# Allegro board PCIE_FIBER_BOARD-1116.brd (continued)
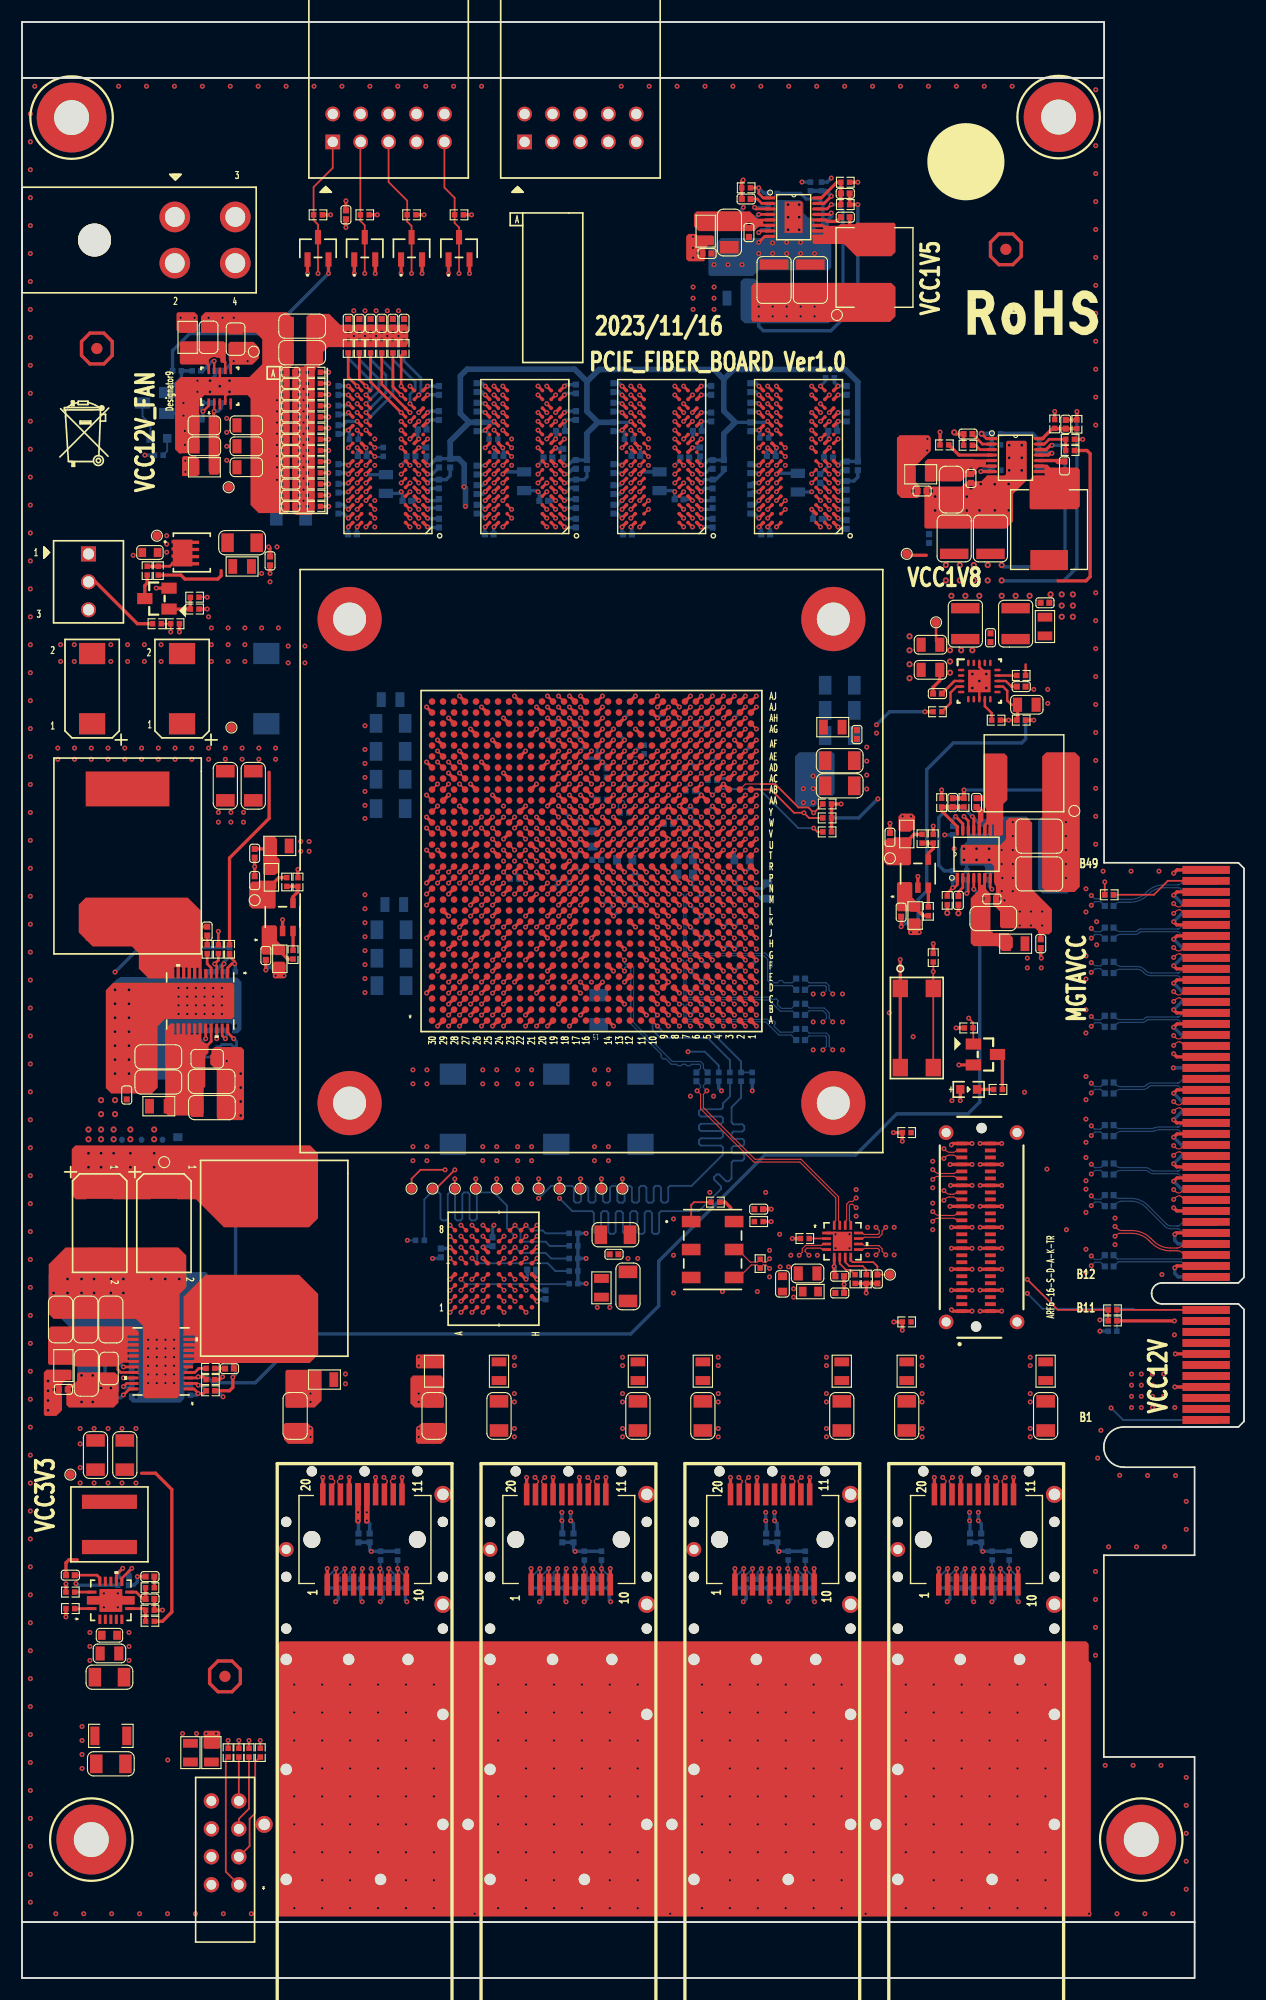
[diagram p0: board, top side]
## Copper pours and planes (outline as drawn; the poured copper is in the pictures) (continued)
VTTDDR on BOTTOM: 26.34,145.17 28.53,147.36 28.53,147.87 28.91,148.25 35.01,148.25 35.26,148.5 35.26,150.03 35.01,150.28 26.75,150.28 26.12,149.64 26.12,147.1 24.59,145.58 24.59,134.02 25.07,133.54 25.07,132.02 25.28,131.81 26.14,131.81 26.34,132.02 ; 23 cut-outs
VTTDDR on ART10: 25.99,145.2 18.37,145.2 17.61,144.44 17.61,133.77 18.24,133.13 25.48,133.13 26.5,134.15 26.5,144.69
VTTVREF on TOP (solid shape): 21.54,148.25 21.54,147.23 20.96,146.65 19.03,146.65 18.86,146.82 18.86,146.86 18.84,146.96 18.8,147.05 18.8,147.7 18.8,147.7 18.8,148.59 18.94,148.73 21.06,148.73
VTTVREF on BOTTOM: 55.71,112.05 54.69,112.05 54.56,112.18 54.56,112.64 55.25,113.32 57.36,113.32 57.48,113.2 59.01,113.2 59.64,113.83 59.9,113.83 60.41,113.32 60.41,112.18 60.15,111.93 57.61,111.93 56.98,112.56 56.21,112.56
VTTVREF on BOTTOM: 21.16,147.36 19.13,147.36 18.88,147.1 18.88,146.09 19.38,145.58 19.38,129.71 20.27,128.82 40.09,128.82 40.72,129.45 40.72,135.55 40.34,135.93 38.94,135.93 38.56,135.55 38.56,131.36 37.67,130.47 28.53,130.47 27.64,131.36 22.18,131.36 21.67,131.86 21.67,146.85
VTTVREF on ART03: 60.91,110.02 59.39,110.02 59.26,110.15 59.26,113.96 59.39,114.08 61.29,114.08 61.42,113.96 61.42,110.53
VTTVREF on ART05: 54.94,108.12 54.69,108.12 54.31,107.73 54.31,107.23 54.06,106.97 50.37,106.97 50.12,107.23 50.12,115.23 38.82,126.53 38.82,135.8 38.94,135.93 41.1,135.93 41.36,135.67 41.36,128.56 52.53,117.39 52.53,113.45 52.79,113.2 54.69,113.2 55.2,112.69 55.2,112.18 54.94,111.93 54.31,111.93 54.18,111.8 54.18,109.39 54.69,108.88 54.94,108.88 55.07,108.75 55.07,108.24
XADC_AGND on BOTTOM: 52.53,102.78 52.79,102.78 53.42,102.15 54.44,102.15 54.56,102.02 54.56,100.88 54.06,100.37 54.06,99.35 53.93,99.23 53.42,99.23 53.29,99.35 53.29,100.5 52.4,101.38 52.4,102.65
XADC_VCC on BOTTOM: 52.28,103.29 51.39,103.29 51.26,103.16 51.26,100.11 52.15,99.23 52.89,99.23 53.04,99.38 53.04,99.86 52.79,100.11 52.66,100.11 52.28,100.5 52.28,102.27 52.4,102.4 52.4,103.16
N16671344 on TOP (solid shape): 16.34,86.74 16.34,86.42 16.33,86.37 16.33,86.34 16.33,85.38 16.33,85.35 16.34,85.3 16.34,85.13 16.43,85.13 16.55,85.04 16.7,85 16.72,85 16.97,84.75 16.97,84.11 16.68,83.82 16.68,81.03 16.52,80.88 16.52,78.65 16.27,78.4 13.29,78.4 13.02,78.66 13.02,86.26 13.52,86.75 13.84,86.75 13.84,85.81 13.89,85.76 14.02,85.76 14.07,85.81 14.07,86.75 14.34,86.75 14.34,85.85 14.39,85.79 14.51,85.79 14.56,85.85 14.56,86.76 14.85,86.76 14.85,85.8 14.9,85.75 15.02,85.75 15.07,85.8 15.07,86.76 15.34,86.76 15.34,85.81 15.39,85.76 15.52,85.76 15.57,85.81 15.57,86.75 15.84,86.75 15.84,85.82 15.9,85.77 16.03,85.77 16.08,85.82 16.08,86.74 16.11,86.78 16.29,86.78
N16672704 on TOP (solid shape): 16.35,96.94 16.35,90.86 16.1,90.86 16.07,90.89 16.07,91.78 16.02,91.83 15.9,91.83 15.85,91.78 15.85,90.89 15.83,90.86 15.57,90.86 15.57,91.76 15.52,91.82 15.4,91.82 15.35,91.76 15.35,90.86 15.09,90.86 15.06,90.89 15.06,91.8 15.01,91.85 14.9,91.85 14.85,91.8 14.85,90.86 14.59,90.86 14.56,90.89 14.56,91.83 14.51,91.88 14.4,91.88 14.35,91.83 14.35,90.89 14.32,90.86 14.09,90.86 14.07,90.88 14.07,91.83 14.02,91.89 13.9,91.89 13.84,91.83 13.84,90.86 11.51,90.86 10.62,91.75 10.62,93.13 9.99,93.76 6.43,93.76 5.16,95.03 5.16,97.57 5.8,98.21 15.08,98.21
N16716267 on TOP (solid shape): 66.2,160.59 66.69,160.1 66.71,160.07 66.74,160.04 66.77,160.01 66.84,159.96 66.89,159.95 66.94,159.93 66.99,159.93 67.01,159.93 68.01,159.93 68.05,159.93 68.11,159.94 68.15,159.95 68.43,159.96 68.48,159.91 68.48,159.72 68.44,159.68 67.47,159.68 67.4,159.6 67.4,159.54 67.47,159.46 68.42,159.46 68.48,159.4 68.48,159.22 68.42,159.16 68.15,159.17 68.11,159.18 68.05,159.19 68.01,159.19 67.16,159.19 67.13,159.19 67.07,159.18 67.01,159.16 66.96,159.13 66.91,159.1 66.89,159.08 66.74,158.93 66.72,158.91 66.68,158.85 66.65,158.79 66.56,158.79 66.53,158.81 65.66,158.81 65.63,158.79 61.55,158.79 61.27,159.07 66.27,159.07 66.27,159.58 65.97,159.58 65.97,159.07 61.27,159.07 61.12,159.22 61.12,160.34 61.37,160.59 65.59,160.59
N16716703 on TOP (solid shape): 79.46,159.42 79.46,156.88 79.07,156.5 75.87,156.5 74.76,157.62 72.01,157.62 71.91,157.72 71.91,158.38 71.99,158.46 72.82,158.46 72.9,158.53 72.9,158.58 72.82,158.66 71.89,158.66 71.89,158.96 72.8,158.96 72.88,159.03 72.88,159.08 72.8,159.15 72.01,159.15 71.91,159.26 71.91,159.37 71.96,159.42 72.27,159.42 72.32,159.42 72.36,159.41 72.94,159.41 72.95,159.4 73.08,159.31 73.23,159.28 73.31,159.27 73.36,159.27 74.1,159.27 74.26,159.3 74.39,159.39 74.42,159.42 75.77,159.42 75.9,159.55 79.33,159.55
N16720636 on TOP (solid shape): 17.2,142.02 17.33,141.95 17.48,141.92 17.62,141.94 17.75,142.01 17.99,141.77 17.99,136.82 17.86,136.69 17.23,136.69 16.97,136.94 16.97,141.9 17.1,142.02 17.18,142.02
N16720676 on TOP (solid shape): 18.54,148.59 18.54,146.94 18.41,146.81 18.16,146.81 18.03,146.94 18.03,147.19 17.95,147.27 17.7,147.27 17.6,147.33 17.48,147.35 17.37,147.33 17.27,147.28 17.26,147.27 17.19,147.27 17,147.08 17,146.67 16.98,146.66 14.5,146.66 14.36,146.8 14.36,148.6 14.53,148.78 18.35,148.78
N16728285 on TOP (solid shape): 10.59,58.74 10.59,58.42 9.65,58.42 9.6,58.37 9.6,58.24 9.65,58.19 10.59,58.19 10.59,57.91 9.69,57.91 9.64,57.86 9.64,57.75 9.69,57.7 10.6,57.7 10.6,57.41 9.64,57.41 9.59,57.35 9.59,57.24 9.64,57.19 10.6,57.19 10.6,56.91 9.65,56.91 9.6,56.86 9.6,56.73 9.65,56.68 10.59,56.68 10.59,56.41 9.66,56.41 9.61,56.36 9.61,56.23 9.66,56.18 10.6,56.18 10.6,56.16 10.62,56.14 10.62,55.96 10.58,55.92 10.26,55.92 10.22,55.93 10.18,55.93 9.22,55.93 9.19,55.93 9.11,55.92 9.08,55.9 8.96,55.82 8.87,55.69 8.87,55.68 8.77,55.58 4.88,55.58 4.72,55.74 2.49,55.74 2.37,55.86 2.37,58.97 2.63,59.23 10.1,59.23
N16728563 on TOP (solid shape): 26.94,62.18 26.94,56.67 26.17,55.9 14.71,55.9 14.71,56.16 14.73,56.18 15.62,56.18 15.67,56.23 15.67,56.35 15.62,56.4 14.73,56.4 14.71,56.43 14.71,56.68 15.61,56.68 15.66,56.74 15.66,56.86 15.61,56.91 14.71,56.91 14.71,57.17 14.73,57.19 15.64,57.19 15.69,57.24 15.69,57.36 15.64,57.41 14.71,57.41 14.71,57.66 14.73,57.69 15.67,57.69 15.72,57.74 15.72,57.86 15.67,57.91 14.73,57.91 14.71,57.94 14.71,58.17 14.72,58.19 15.68,58.19 15.73,58.24 15.73,58.36 15.68,58.41 14.71,58.41 14.71,61.21 14.69,61.91 16.7,63.92 25.2,63.92
N16762295 on TOP: 51.94,62.36 55.88,62.36 56.01,62.23 56.01,60.71 55.75,60.45 52.07,60.45 51.82,60.71 51.82,62.23
N16762295 on ART05: 37.21,66.67 44.58,66.67 48.51,62.74 48.56,62.74 49,62.29 53.91,62.29 54.48,61.72 54.48,58.55 52.83,56.9 37.85,56.9 36.2,58.55 36.2,65.66
N16769397 on TOP (solid shape): 87.2,100.4 87.2,99.43 87.28,99.36 87.35,99.36 87.42,99.43 87.42,100.38 87.48,100.45 87.66,100.45 87.72,100.38 87.72,100.11 87.7,100.07 87.69,100.01 87.69,99.98 87.69,99.12 87.69,99.09 87.7,99.03 87.72,98.97 87.75,98.92 87.78,98.87 87.8,98.85 87.95,98.7 87.97,98.68 88.03,98.64 88.09,98.61 88.09,98.49 88.07,98.47 88.07,97.47 88.09,97.44 88.09,95.24 88.35,94.98 89.72,94.98 90.12,94.58 90.12,93.69 89.82,93.38 89.13,93.38 88.73,93.79 86.57,93.79 86.29,94.07 86.29,97.96 87.81,97.96 87.81,98.26 87.3,98.26 87.3,97.96 86.29,97.96 86.29,98.16 86.78,98.66 86.8,98.67 86.84,98.7 86.87,98.74 86.92,98.81 86.93,98.85 86.95,98.9 86.95,98.95 86.95,98.97 86.95,99.98 86.95,100.01 86.94,100.07 86.93,100.11 86.92,100.39 86.97,100.45 87.16,100.45
N16769443 on TOP: 79.83,54.78 82.37,54.78 82.63,54.52 82.63,52.24 82.25,51.85 79.71,51.85 79.58,51.98 79.58,54.52
N16769443 on TOP: 85.98,45 86.39,45 86.44,44.94 86.44,41.44 86.31,41.31 86.06,41.31 85.93,41.44 85.93,44.95
N16769443 on ART03: 81.53,53.47 85.72,53.47 86.48,52.7 86.48,41.53 86.1,41.15 83.94,41.15 80.13,44.96 80.13,52.07
N16769469 on TOP: 93.74,54.78 91.2,54.78 90.95,54.52 90.95,52.24 91.33,51.85 93.87,51.85 93.99,51.98 93.99,54.52
N16769469 on TOP: 87.19,45 86.77,45 86.74,44.96 86.74,41.4 86.82,41.31 87.07,41.31 87.24,41.48 87.24,44.95
N16769469 on ART03: 87.37,53.47 91.82,53.47 93.6,51.69 93.6,44.58 92.58,43.56 91.06,43.56 88.64,41.15 86.99,41.15 86.74,41.4 86.74,52.83
N16769823 on TOP (solid shape): 89.63,111.05 89.63,107.09 89.26,106.72 89.26,105.3 89.23,105.27 89.23,103.95 89.11,103.82 88.49,103.82 88.43,103.89 88.43,104.84 88.4,104.86 88.24,104.86 88.22,104.84 88.22,103.87 88.17,103.82 87.98,103.82 87.92,103.88 87.92,104.8 87.89,104.84 87.76,104.84 87.73,104.8 87.73,103.89 87.66,103.82 87.56,103.82 87.46,103.92 87.46,104.23 87.46,104.28 87.47,104.32 87.47,104.89 87.65,105.07 87.71,105.32 87.71,106.06 87.67,106.26 87.56,106.42 87.46,106.53 87.46,111.19 87.58,111.32 89.36,111.32
N16769990 on TOP (solid shape): 27.26,55.16 27.26,52.49 26.62,51.85 24.08,51.85 23.96,51.98 23.96,55.16 24.08,55.28 27.13,55.28
N16769990 on TOP (solid shape): 30.81,44.94 30.81,41.44 30.69,41.31 30.43,41.31 30.31,41.44 30.31,44.95 30.36,45 30.76,45
N16769990 on ART03: 25.91,53.47 30.1,53.47 30.86,52.7 30.86,41.53 30.48,41.15 28.32,41.15 24.51,44.96 24.51,52.07
N16770002 on TOP (solid shape): 31.62,44.95 31.62,41.48 31.45,41.31 31.2,41.31 31.11,41.4 31.11,44.96 31.15,45 31.57,45
N16770002 on TOP (solid shape): 38.37,54.52 38.37,51.98 38.24,51.85 35.7,51.85 35.32,52.24 35.32,54.52 35.58,54.78 38.12,54.78
N16770002 on ART03: 31.75,53.47 37.59,53.47 37.97,53.09 37.97,44.58 36.96,43.56 35.43,43.56 33.02,41.15 31.37,41.15 31.11,41.4 31.11,52.83
N16771208 on TOP: 61.29,54.78 63.83,54.78 64.09,54.52 64.09,52.24 63.71,51.85 61.17,51.85 61.04,51.98 61.04,54.52
N16771208 on TOP: 67.44,45 67.84,45 67.9,44.94 67.9,41.44 67.77,41.31 67.52,41.31 67.39,41.44 67.39,44.95
N16771208 on ART03: 62.99,53.47 67.18,53.47 67.94,52.7 67.94,41.53 67.56,41.15 65.4,41.15 61.59,44.96 61.59,52.07
N16771220 on TOP: 75.2,54.78 72.66,54.78 72.4,54.52 72.4,52.24 72.79,51.85 75.33,51.85 75.45,51.98 75.45,54.52
N16771220 on TOP: 68.65,45 68.23,45 68.19,44.96 68.19,41.4 68.28,41.31 68.53,41.31 68.7,41.48 68.7,44.95
N16771220 on ART03: 68.83,53.47 74.67,53.47 75.06,53.09 75.06,44.58 74.04,43.56 72.52,43.56 70.1,41.15 68.45,41.15 68.2,41.4 68.2,52.83
N16771812 on TOP: 87.46,119.32 87.46,120.1 87.79,120.43 87.79,121.65 87.84,121.7 88.6,121.7 89.31,122.42 93.63,122.42 93.83,122.21 93.83,119.6 93.4,119.16 89.46,119.16 89.06,118.76 88.5,118.76 88.42,118.83 88.42,119.14 88.32,119.24 87.99,119.24 87.96,119.27 87.96,119.85 87.91,119.9 87.71,119.9 87.69,119.88 87.69,119.27 87.66,119.24 87.53,119.24 ; 1 cut-out
N16772426 on TOP: 42.75,54.78 45.29,54.78 45.55,54.52 45.55,52.24 45.17,51.85 42.63,51.85 42.5,51.98 42.5,54.52
N16772426 on TOP: 48.9,45 49.3,45 49.36,44.94 49.36,41.44 49.23,41.31 48.98,41.31 48.85,41.44 48.85,44.95
N16772426 on ART03: 44.45,53.47 48.64,53.47 49.4,52.7 49.4,41.53 49.02,41.15 46.86,41.15 43.05,44.96 43.05,52.07
N16772438 on TOP: 56.66,54.78 54.12,54.78 53.86,54.52 53.86,52.24 54.24,51.85 56.78,51.85 56.91,51.98 56.91,54.52
N16772438 on TOP: 50.11,45 49.69,45 49.65,44.96 49.65,41.4 49.74,41.31 49.99,41.31 50.16,41.48 50.16,44.95
N16772438 on ART03: 50.29,53.47 56.13,53.47 56.51,53.09 56.51,44.58 55.5,43.56 53.97,43.56 51.56,41.15 49.91,41.15 49.66,41.4 49.66,52.83
N16788876 on TOP: 80.57,60.05 80.57,57.71 81.16,57.12 90.31,57.12 91.46,58.27 91.46,59.6 90.75,60.31 89.46,60.31 87.62,58.47 85.7,58.47 85.05,59.11 85.05,59.74 84.48,60.31 80.83,60.31
N16788886 on TOP: 80.58,76.61 80.58,77.8 81.59,78.8 90.96,78.8 91.5,78.27 91.5,76.36 91.19,76.05 90.43,76.05 88.6,77.88 86.22,77.88 84.6,76.27 80.93,76.27
N16791990 on TOP: 64.09,70.27 66.76,70.27 66.88,70.14 66.88,68.62 66.37,68.11 64.09,68.11 63.83,68.36 63.83,70.02
N16799687 on TOP: 19.51,127.55 15.19,127.55 14.81,127.93 14.81,130.98 15.32,131.48 19,131.48 19.64,130.85 19.64,127.67
N16804893 on TOP: 18.03,7.62 17.91,7.49 15.37,7.49 15.24,7.62 15.24,17.78 14.48,18.54 14.48,20.07 14.61,20.19 17.91,20.19 18.03,20.07
N16831254 on TOP (solid shape): 80.85,101.28 80.73,101.15 78.69,101.15 78.44,101.4 78.44,103.31 78.74,103.61 79.23,103.61 79.32,103.63 79.39,103.69 80.85,103.69
N16831338 on TOP (solid shape): 80.98,99.5 80.98,98.23 81.36,97.85 81.61,97.85 81.74,97.72 81.74,97.09 81.61,96.96 80.27,96.96 80.24,96.96 79.71,96.96 79.58,97.09 79.58,99.5 79.71,99.63 80.85,99.63
N16835514 on TOP (solid shape): 23.07,97.34 22.94,97.21 20.91,97.21 20.65,97.47 20.65,99.37 20.95,99.67 21.44,99.67 21.53,99.69 21.61,99.75 23.07,99.75
N16835584 on TOP (solid shape): 23.19,95.56 23.19,94.29 23.58,93.91 23.83,93.91 23.96,93.78 23.96,93.15 23.83,93.02 22.49,93.02 22.46,93.02 21.92,93.02 21.8,93.15 21.8,95.56 21.92,95.69 23.07,95.69
N16841309 on TOP: 7.45,35.6 7.45,36.74 7.07,37.12 5.41,37.12 4.78,37.76 4.78,39.66 5.03,39.92 10.75,39.92 11,39.66 11,38.01 10.62,37.63 8.72,37.63 8.21,37.12 8.21,35.6
N16881753 on TOP: 10.92,23.49 8.89,23.49 8.26,22.86 8.26,17.78 6.99,16.51 3.17,16.51 2.54,15.88 2.54,9.53 3.17,8.89 9.53,8.89 11.43,10.79 11.43,22.99
N22202204 on TOP (solid shape): 86.57,138.07 86.61,138.06 86.66,138.05 86.68,138.05 88.19,138.05 88.23,138.05 88.29,138.06 88.33,138.08 88.54,138.08 88.59,138.08 88.68,137.99 88.68,137.88 88.6,137.81 87.69,137.81 87.69,137.55 88.63,137.55 88.65,137.53 88.65,137.34 88.61,137.3 87.4,137.3 87.37,137.31 87.33,137.32 87.28,137.34 87.23,137.34 87.17,137.34 87.12,137.34 87.06,137.32 87.01,137.29 86.96,137.26 86.91,137.23 86.88,137.18 86.84,137.13 86.82,137.08 86.8,137.02 86.8,136.97 86.8,136.91 86.8,136.86 86.81,136.81 86.82,136.79 86.47,136.44 85.81,136.44 85.42,136.06 82.12,136.06 82.12,136.77 86.47,136.77 86.47,137.28 86.16,137.28 86.16,136.77 82.12,136.77 82.12,137.83 82.37,138.08 86.54,138.08
N22202413 on TOP (solid shape): 93.53,137.3 96.01,137.3 96.22,137.09 96.22,133.77 95.97,133.52 91.77,133.52 91.65,133.64 91.65,136.17 92.04,136.56 93,136.56 93,136.81 92.04,136.81 92.04,137.07 92.98,137.07 92.98,137.32 92.04,137.32 92.04,137.5 92.12,137.57 93.25,137.57

Small or netless copper shapes (teardrops, artwork), in the pictures only: 10 on TOP

## Text on the board
Ref Des/Silkscreen Top: A | * | TIming Board | PCIE_FIBER_BOARD Ver1.0 | 2023/11/16 | VCC1V8 | VCC3V3 | VCC12V_FAN | VCC1V5 | MGTAVCC | VCC12V
DIMENSION: Surface Finished | Compare With IPC File: | Short Net NO. | Code: | Silkscreen Color: | Soldermask Color: | Design By LINKYTECH | Dielectric Material: | Board Name: | LJ231116 | TG | PCIE_FIBER_BOARD | [XX] | Short Net Name: | E-Mail:sales@linkytech.com | Layers: | Hign Tg(IT180A,S1000-2M,TU768,S1000-2) | HASL(Sn/Pb) | Nor Tg(GW4011,IT140,S1140F) | Mid Tg(GW1500,IT158,S1000H) | White | Green | OSP | Other | FR4 | Golden Finger,Others HASL(Pb-Free) | Golden Finger,Others HASL(Sn/Pb) | Yes | 12 | xxxxx | ImAg | Yellow | No | HASL(Pb-Free) | Blue | Board Thickness: | Panel Mode: | Tel: +86-0512-69575857 | ImSn | Immersion Gold(ENIG) | Red | Black | Golden Finger,Others ENIG | Golden Finger,Others OSP | 1.60 | mm+/-10% | Single Impedance | Diff Impedance | 100 ohm | 80 ohm | 40 ohm | 50 ohm | ART08 | PREPREG | GND02 | GND09 | GND11 | CORE | POWER07 | ART01 | GND04 | ART05 | POWER06 | ART10 | ART12 | ART03 | 3,5,8,10 | 3,5,10 | Layer | 3,8,10 | 1,12 | 8,10 | Trace Width(mil) | Trace W/S(mil) | 3.9/6.1 | 4.1/5.9 | 6.2/5.5 | 7.4/5.8 | Layer Stack up | Solder Bot | Silk Bot | 7.2 | 6.5 | 4.6 | Solder Top | 10 | Silk Top | Tolerance | + | - | 10% | Frequncy(MHZ) | Default | Thickness (mil) | 1.8(1oz+plating) | 4.4 | 0.7(0.5 oz) | 5.1 | 5.4 | Remark | 10--Gerber LAYER10 | 11--GROUND PLANE11 | 12--Gerber BOTTOM | 1--Gerber TOP | 2--GROUND PLANE02 | 3--Gerber LAYER03 | 4--GROUND PLANE04 | 5--Gerber LAYER05 | 6--POWER PLANE06 | 7--GROUND PLANE07 | 8--Gerber LAYER08 | 9--GROUND PLANE09
User.6: 95.5000 | B11 | B49 | B12 | B1 | 7.5001 | A12 | A11 | A1 | A49 | R8 | C20 | C15 | R19 | R18 | U14 | U16 | U19 | U23 | P1
User.7: 13.15 | 16.05 | 13.6 | 5.1 | 95.5 | 4.8 | 7.5
User.8: AK | AH | AF | AD | AB | Y | V | T | P | M | K | H | F | D | B | AJ | AG | AE | AC | AA | W | U | R | N | L | J | G | E | C | A1 | 106.6447 | B11 | B49 | B12 | B1 | A12 | A11 | A49 | 30 | 29 | 28 | 27 | 26 | 25 | 24 | 23 | 22 | 21 | 20 | 19 | 18 | 17 | 16 | 15 | 14 | 13 | 12 | 11 | 10 | 9 | 8 | 7 | 6 | 5 | 4 | 3 | 2 | 1 | R8 | C20 | C15 | R19 | R18 | C2576 | R92 | R89 | U15 | C2577 | C2578 | C2579 | C2572 | C2573 | U21 | C362 | C2591 | U14 | RA6 | RA5 | RA4 | RA3 | RA2 | RA1 | U16 | U19 | U23 | C2574 | C2575 | U25 | P1
User.24: FIGURE | FINISHED_SIZE | 8.0 | 10.0 | 32.68 | 33.0 | 35.0 | 37.0 | 40.0 | 41.0 | 71.0 | 118.0 | 125.0 | 37.4 | 61.0 | TOOL_SIZE | - | DRILL CHART: TOP to BOTTOM | ALL UNITS ARE IN MILS | ROTATION | TOLERANCE_DRILL | +2.0/-2.0 | +0.0/-0.0 | +3.0/-3.0 | PLATED | NON-PLATED | QTY | 2261 | 140 | 4 | 8 | 20 | 1 | 2 | 44 | 36 | 2543 | TOTAL HOLES:
User.25: The target layer = gnd9 . The depth of backdrill | less than 10mil away from the target layer | Do not cut layer=gnd9 .
User.26: The target layer = gnd4 . The depth of backdrill | less than 10mil away from the target layer | Do not cut layer=gnd4 .
User.27: The target layer = gnd9 . The depth of backdrill | less than 10mil away from the target layer | Do not cut layer=gnd9 .
